# Altium PCB PCB1-recovery2.PcbDoc (part 3 of 5) (continued)
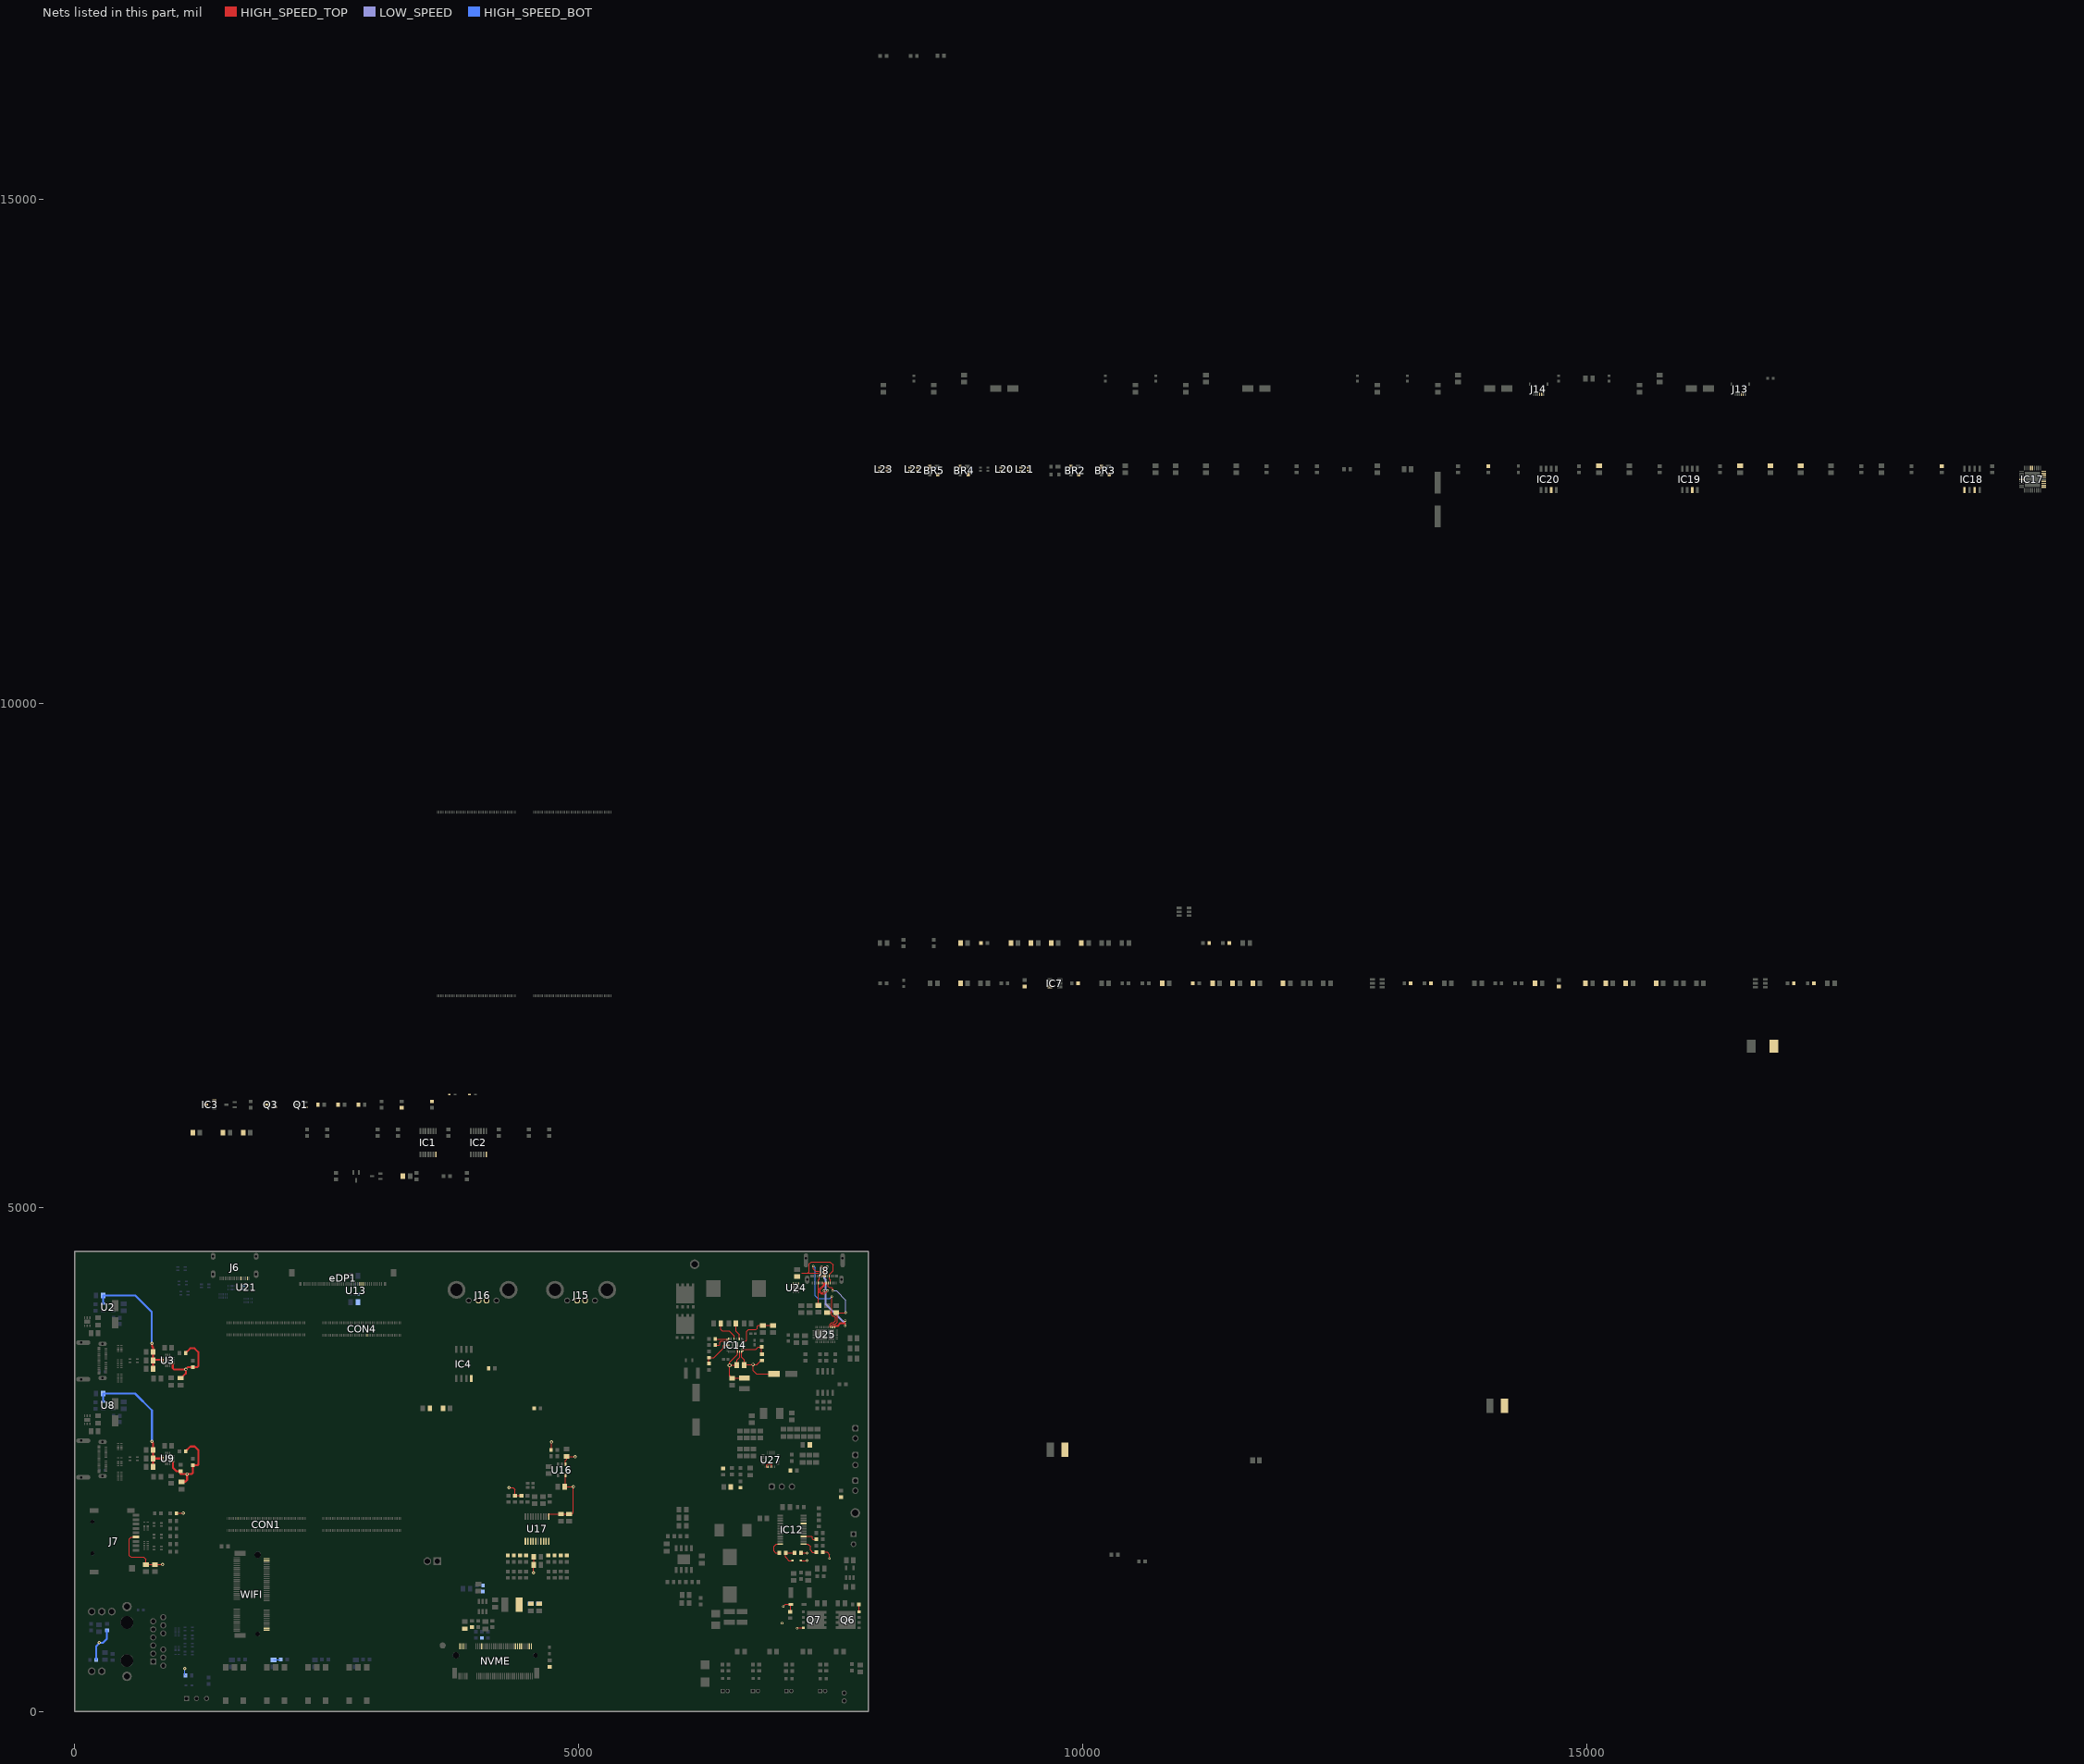
[diagram p9: the nets of this part, all layers, seen from the top]
## Part data (continued)
R25 R70 R71 R72 R73 R111 R135 R136: library part ERJ-3EKF1000V, "100 Ohm 1% 1/10W 0603 ±100ppm/°C Molded SMD Punched Carrier T/R", Case Code (Imperial)=0603, Case Code (Metric)=1608, Manufacturer=Panasonic, Max Operating Temperature=155°C, Max Power Dissipation=100mW, Min Operating Temperature=-55°C, Mouser Part Number=667-ERJ-3EKF1000V, Package Quantity=5000, Resistance Tolerance=1%, Resistor Type="Thick Film", Supplier Part Number=P100HCT-ND, Temperature Coefficient=100ppm/°C, Voltage Rating=75V, Arrow Part Number=ERJ-3EKF1000V, Arrow Price/Stock=https://www.arrow.com/en/products/erj-3ekf1000v/panasonic?utm_currency=USD&region=nac, Case/Package=0603, Category="Chip SMD Resistors", ComponentLink1Description=https://datasheet.ciiva.com/34303/1987450-34303565.pdf?src-supplier=Jameco, ComponentLink1URL=https://datasheet.ciiva.com/34303/1987450-34303565.pdf?src-supplier=Jameco, ComponentLink2Description=https://datasheet.ciiva.com/9186/aoa0000ce2-9186725.pdf?src-supplier=Avnet, ComponentLink2URL=https://datasheet.ciiva.com/9186/aoa0000ce2-9186725.pdf?src-supplier=Avnet, ComponentLink3Description=https://datasheet.ciiva.com/48530/aoa0000ce2-48530986.pdf?src-supplier=Avnet, ComponentLink3URL=https://datasheet.ciiva.com/48530/aoa0000ce2-48530986.pdf?src-supplier=Avnet, ComponentLink4Description=https://datasheet.ciiva.com/7830/aoa0000ce2-7830728.pdf?src-supplier=Element14, ComponentLink4URL=https://datasheet.ciiva.com/7830/aoa0000ce2-7830728.pdf?src-supplier=Element14, ComponentLink5Description=https://datasheet.ciiva.com/22667/1678782-22667887.pdf?src-supplier=Element14, ComponentLink5URL=https://datasheet.ciiva.com/22667/1678782-22667887.pdf?src-supplier=Element14, ComponentLink6Description=https://datasheet.ciiva.com/46372/1678782-46372726.pdf?src-supplier=Element14, ComponentLink6URL=https://datasheet.ciiva.com/46372/1678782-46372726.pdf?src-supplier=Element14, ComponentLink7Description=https://datasheet.ciiva.com/46372/1678782-46372727.pdf?src-supplier=Element14, ComponentLink7URL=https://datasheet.ciiva.com/46372/1678782-46372727.pdf?src-supplier=Element14, ComponentLink8Description=https://datasheet.ciiva.com/24159/aoa0000ce2-24159753.pdf?src-supplier=Mouser, ComponentLink8URL=https://datasheet.ciiva.com/24159/aoa0000ce2-24159753.pdf?src-supplier=Mouser, ComponentLink9Description=https://datasheet.ciiva.com/16765/70260748-16765766.pdf?src-supplier=Allied+Electronics, ComponentLink9URL=https://datasheet.ciiva.com/16765/70260748-16765766.pdf?src-supplier=Allied+Electronics, ComponentLink10Description=https://datasheet.ciiva.com/16762/70260748-16762666.pdf?src-supplier=Allied+Electronics, ComponentLink10URL=https://datasheet.ciiva.com/16762/70260748-16762666.pdf?src-supplier=Allied+Electronics, ComponentLink11Description=https://datasheet.ciiva.com/30088/aoa0000ce2-30088649.pdf?src-supplier=Onlinecomponents.com, ComponentLink11URL=https://datasheet.ciiva.com/30088/aoa0000ce2-30088649.pdf?src-supplier=Onlinecomponents.com, Construction=Rectangular, Contact Plating=Tin, Datasheet Link=http://industrial.panasonic.com/cdbs/www-data/pdf/RDA0000/AOA0000C86.pdf, Depth=0.8mm, Features="Automotive AEC-Q200", Height=0.55mm, Lead Free="Lead Free", Length=1.6mm, Manufacturer Part Number=ERJ-3EKF1000V, Manufacturer_Name=Panasonic, Manufacturer_Part_Number=ERJ-3EKF1000V, Military Standard=Not, Mounting Technology="Surface Mount", Mouser Price/Stock=https://www.mouser.co.uk/ProductDetail/Panasonic/ERJ-3EKF1000V?qs=H7k1u0Mp9JS7i8KGO5m47A%3D%3D, Number of Terminations=2, Packaging="Tape and Reel", Power Rating=100mW, Pricing="1=0.1, 10=0.035, 100=0.0177, 1000=0.01014, 2500=0.00888 (USD)", Radiation Hardening=No, Reach SVHC Compliant=No, RoHS=Yes, RoHS Compliant=Yes, Series=ERJ, Stock=1036225, Supplier=Digikey, Termination=SMD/SMT, Tolerance=1%, Voltage Rating (DC)=75V, Weight=7.1E-05oz, Width=0.8mm
R28 R29 R32 R33 R34 R35 R44 R45 R46 R47 R48 R49 R50 R78 R118 R119 R126 R131 R133 R137 R139: library part ERJ-3EKF33R0V, "33 Ohm 1% 0.1W 0603 ±100ppm/°C Molded SMD Punched Carrier T/R", Case Code (Imperial)=0603, Case Code (Metric)=1608, Manufacturer=Panasonic, Max Operating Temperature=155°C, Max Power Dissipation=100mW, Min Operating Temperature=-55°C, Package Quantity=1, Resistance Tolerance=1%, Resistor Type="Thick Film", Supplier Part Number=P33.0HCT-ND, Temperature Coefficient=100ppm/°C, Voltage Rating=75V, Case/Package=0603, Category="Chip SMD Resistors", ComponentLink1Description=https://datasheet.ciiva.com/5917/aoa0000ce2-5917831.pdf?src-supplier=Farnell, ComponentLink1URL=https://datasheet.ciiva.com/5917/aoa0000ce2-5917831.pdf?src-supplier=Farnell, ComponentLink2Description=https://datasheet.ciiva.com/48531/aoa0000ce2-48531007.pdf?src-supplier=Avnet, ComponentLink2URL=https://datasheet.ciiva.com/48531/aoa0000ce2-48531007.pdf?src-supplier=Avnet, ComponentLink3Description=https://datasheet.ciiva.com/30250/aoa0000ce2-30250862.pdf?src-supplier=Onlinecomponents.com, ComponentLink3URL=https://datasheet.ciiva.com/30250/aoa0000ce2-30250862.pdf?src-supplier=Onlinecomponents.com, ComponentLink4Description=https://datasheet.ciiva.com/16778/70260748-16778478.pdf?src-supplier=Allied+Electronics, ComponentLink4URL=https://datasheet.ciiva.com/16778/70260748-16778478.pdf?src-supplier=Allied+Electronics, ComponentLink5Description=https://datasheet.ciiva.com/16781/70260748-16781237.pdf?src-supplier=Allied+Electronics, ComponentLink5URL=https://datasheet.ciiva.com/16781/70260748-16781237.pdf?src-supplier=Allied+Electronics, ComponentLink6Description=https://datasheet.ciiva.com/22673/1678782-22673288.pdf?src-supplier=Element14, ComponentLink6URL=https://datasheet.ciiva.com/22673/1678782-22673288.pdf?src-supplier=Element14, ComponentLink7Description=https://datasheet.ciiva.com/24026/aoa0000ce2-24026635.pdf?src-supplier=Mouser, ComponentLink7URL=https://datasheet.ciiva.com/24026/aoa0000ce2-24026635.pdf?src-supplier=Mouser, ComponentLink8Description=https://datasheet.ciiva.com/22687/1678782-22687390.pdf?src-supplier=Element14, ComponentLink8URL=https://datasheet.ciiva.com/22687/1678782-22687390.pdf?src-supplier=Element14, ComponentLink9Description=https://datasheet.ciiva.com/7836/aoa0000ce2-7836503.pdf?src-supplier=Element14, ComponentLink9URL=https://datasheet.ciiva.com/7836/aoa0000ce2-7836503.pdf?src-supplier=Element14, ComponentLink10Description=https://datasheet.ciiva.com/7836/426256-7836821.pdf?src-supplier=Element14, ComponentLink10URL=https://datasheet.ciiva.com/7836/426256-7836821.pdf?src-supplier=Element14, Construction=Rectangular, Contact Plating=Tin, Depth=0.8mm, Features="Automotive AEC-Q200", Height=0.022inch, Lead Free="Lead Free", Length=1.6mm, Manufacturer Part Number=ERJ-3EKF33R0V, Mfr_Name=Panasonic, Military Standard=Not, Mounting Technology="Surface Mount", Number of Terminations=2, Packaging="Tape and Reel", Pins=2, Power Rating=100mW, Pricing="1=0.1, 10=0.035, 100=0.0177, 1000=0.01014, 2500=0.00888 (USD)", Radiation Hardening=No, Reach SVHC Compliant=No, RoHS=Yes, RoHS Compliant=Yes, Series=ERJ, Stock=430721, Supplier=Digikey, Termination=SMD/SMT, Tolerance=1%, Voltage Rating (DC)=75V, Width=0.8mm
R30 R31 R37 R38 R39 R40 R121 R159: library part ERJ-3EKF49R9V, "100Mw Thick Film Resistors 100Ppm/ 1% 49.9 0603 Chip Resistor Surface Mount Rohs", Case Code (Imperial)=0603, Case Code (Metric)=1608, Manufacturer=Panasonic, Max Operating Temperature=155°C, Max Power Dissipation=100mW, Min Operating Temperature=-55°C, Package Quantity=5000, Resistance Tolerance=1%, Resistor Type="Thick Film", Supplier Part Number=P49.9HCT-ND, Temperature Coefficient=100ppm/°C, Voltage Rating=75V, Working Voltage=6V, Case/Package=0603, Category="Chip SMD Resistors", ComponentLink1Description=https://datasheet.ciiva.com/48531/aoa0000ce2-48531019.pdf?src-supplier=Avnet, ComponentLink1URL=https://datasheet.ciiva.com/48531/aoa0000ce2-48531019.pdf?src-supplier=Avnet, ComponentLink2Description=https://datasheet.ciiva.com/30095/aoa0000ce2-30095355.pdf?src-supplier=Onlinecomponents.com, ComponentLink2URL=https://datasheet.ciiva.com/30095/aoa0000ce2-30095355.pdf?src-supplier=Onlinecomponents.com, ComponentLink3Description=https://datasheet.ciiva.com/9117/aoa0000ce2-9117128.pdf?src-supplier=Avnet, ComponentLink3URL=https://datasheet.ciiva.com/9117/aoa0000ce2-9117128.pdf?src-supplier=Avnet, ComponentLink4Description=https://datasheet.ciiva.com/16766/70260748-16766262.pdf?src-supplier=Allied+Electronics, ComponentLink4URL=https://datasheet.ciiva.com/16766/70260748-16766262.pdf?src-supplier=Allied+Electronics, ComponentLink5Description=https://datasheet.ciiva.com/16772/70260748-16772570.pdf?src-supplier=Allied+Electronics, ComponentLink5URL=https://datasheet.ciiva.com/16772/70260748-16772570.pdf?src-supplier=Allied+Electronics, ComponentLink6Description=https://datasheet.ciiva.com/28694/1678782-28694219.pdf?src-supplier=Element14, ComponentLink6URL=https://datasheet.ciiva.com/28694/1678782-28694219.pdf?src-supplier=Element14, ComponentLink7Description=https://datasheet.ciiva.com/46388/1678782-46388908.pdf?src-supplier=Element14, ComponentLink7URL=https://datasheet.ciiva.com/46388/1678782-46388908.pdf?src-supplier=Element14, Construction=Rectangular, Contact Plating=Tin, Depth=0.8mm, Features="Automotive AEC-Q200", Height=0.022inch, Length=1.6mm, Manufacturer Part Number=ERJ-3EKF49R9V, Mfr_Name=Panasonic, Military Standard=Not, Mounting Technology="Surface Mount", Number of Terminations=2, Packaging="Tape and Reel", Power Rating=100mW, Pricing="1=0.1, 10=0.035, 100=0.0177, 1000=0.01014, 2500=0.00888 (USD)", Radiation Hardening=No, Reach SVHC Compliant=No, RoHS=Yes, RoHS Compliant=Yes, Series=ERJ, Stock=459806, Supplier=Digikey, Technology="THICK FILM", Termination=SMD/SMT, Tolerance=1%, Width=0.8mm
R36: library part ERJ-3GEYJ471V, "470 Ohm 5% 1/10W 0603 +/-200ppm/ßC Molded SMD Punched Carrier T/R", Case Code (Imperial)=0603, Case Code (Metric)=1608, Manufacturer=Panasonic, Max Operating Temperature=155°C, Max Power Dissipation=100mW, Min Operating Temperature=-55°C, Package Quantity=1, Resistance Tolerance=5%, Resistor Type="Thick Film", Supplier Part Number=P470GCT-ND, Temperature Coefficient=200ppm/°C, Voltage Rating=75V, Case/Package=0603, Category="Chip SMD Resistors", ComponentLink1Description=https://datasheet.ciiva.com/11821/0900766b80f806dd-11821465.pdf?src-supplier=Rs, ComponentLink1URL=https://datasheet.ciiva.com/11821/0900766b80f806dd-11821465.pdf?src-supplier=Rs, ComponentLink2Description=https://datasheet.ciiva.com/6138/1678796-6138175.pdf?src-supplier=Farnell, ComponentLink2URL=https://datasheet.ciiva.com/6138/1678796-6138175.pdf?src-supplier=Farnell, ComponentLink3Description=https://datasheet.ciiva.com/9117/aoa0000ce1-9117207.pdf?src-supplier=Avnet, ComponentLink3URL=https://datasheet.ciiva.com/9117/aoa0000ce1-9117207.pdf?src-supplier=Avnet, ComponentLink4Description=https://datasheet.ciiva.com/28676/1678796-28676277.pdf?src-supplier=Element14, ComponentLink4URL=https://datasheet.ciiva.com/28676/1678796-28676277.pdf?src-supplier=Element14, ComponentLink5Description=https://datasheet.ciiva.com/46377/1678796-46377559.pdf?src-supplier=Element14, ComponentLink5URL=https://datasheet.ciiva.com/46377/1678796-46377559.pdf?src-supplier=Element14, ComponentLink6Description=https://datasheet.ciiva.com/46389/1678796-46389462.pdf?src-supplier=Element14, ComponentLink6URL=https://datasheet.ciiva.com/46389/1678796-46389462.pdf?src-supplier=Element14, ComponentLink7Description=https://datasheet.ciiva.com/16449/aoa0000ce1-16449526.pdf?src-supplier=Future+Electronics, ComponentLink7URL=https://datasheet.ciiva.com/16449/aoa0000ce1-16449526.pdf?src-supplier=Future+Electronics, ComponentLink8Description=https://datasheet.ciiva.com/16767/70255313-16767606.pdf?src-supplier=Allied+Electronics, ComponentLink8URL=https://datasheet.ciiva.com/16767/70255313-16767606.pdf?src-supplier=Allied+Electronics, ComponentLink9Description=https://datasheet.ciiva.com/16777/70255313-16777174.pdf?src-supplier=Allied+Electronics, ComponentLink9URL=https://datasheet.ciiva.com/16777/70255313-16777174.pdf?src-supplier=Allied+Electronics, ComponentLink10Description=https://datasheet.ciiva.com/30073/4aoa0000ce1-30073208.pdf?src-supplier=Onlinecomponents.com, ComponentLink10URL=https://datasheet.ciiva.com/30073/4aoa0000ce1-30073208.pdf?src-supplier=Onlinecomponents.com, Construction=Rectangular, Contact Plating=Tin, Depth=0.8mm, Features="Automotive AEC-Q200", Height=0.45mm, Lead Free="Lead Free", Length=1.6mm, Manufacturer Part Number=ERJ-3GEYJ471V, Mfr_Name=Panasonic, Military Standard=Not, Mounting Technology="Surface Mount", Number of Terminations=2, Packaging="Tape and Reel", Pins=2NUMBER, Power Rating=100mW, Radiation Hardening=No, Reach SVHC Compliant=No, RoHS=Yes, RoHS Compliant=Yes, Series=ERJ, Supplier=Digikey, Technology="THICK FILM", Termination=SMD/SMT, Tolerance=5%, Voltage Rating (DC)=75V, Weight=7.1E-05oz, Width=0.8mm
R54 R56 R59: library part ERJ-3GEYJ182V, "1.8 kOhm, ± 5%, 100 mW, 0603 [1608 Metric], Thick Film, General Purpose", Case Code (Imperial)=0603, Case Code (Metric)=1608, Manufacturer=Panasonic, Max Operating Temperature=155°C, Max Power Dissipation=100mW, Min Operating Temperature=-55°C, Package Quantity=5000, Resistance Tolerance=5%, Resistor Type="Thick Film", Supplier Part Number=P1.8KGCT-ND, Temperature Coefficient=200ppm/°C, Voltage Rating=75V, Voltage Rating (DC)=50V, Case/Package=0603, Category="Chip SMD Resistors", ComponentLink1Description=https://datasheet.ciiva.com/11821/0900766b80f806dd-11821432.pdf?src-supplier=Rs, ComponentLink1URL=https://datasheet.ciiva.com/11821/0900766b80f806dd-11821432.pdf?src-supplier=Rs, ComponentLink2Description=https://datasheet.ciiva.com/30254/4aoa0000ce1-30254454.pdf?src-supplier=Onlinecomponents.com, ComponentLink2URL=https://datasheet.ciiva.com/30254/4aoa0000ce1-30254454.pdf?src-supplier=Onlinecomponents.com, ComponentLink3Description=https://datasheet.ciiva.com/9117/aoa0000ce1-9117098.pdf?src-supplier=Avnet, ComponentLink3URL=https://datasheet.ciiva.com/9117/aoa0000ce1-9117098.pdf?src-supplier=Avnet, ComponentLink4Description=https://datasheet.ciiva.com/16766/70255313-16766154.pdf?src-supplier=Allied+Electronics, ComponentLink4URL=https://datasheet.ciiva.com/16766/70255313-16766154.pdf?src-supplier=Allied+Electronics, ComponentLink5Description=https://datasheet.ciiva.com/16772/70255313-16772088.pdf?src-supplier=Allied+Electronics, ComponentLink5URL=https://datasheet.ciiva.com/16772/70255313-16772088.pdf?src-supplier=Allied+Electronics, ComponentLink6Description=https://datasheet.ciiva.com/46440/1500035-46440095.pdf?src-supplier=Element14, ComponentLink6URL=https://datasheet.ciiva.com/46440/1500035-46440095.pdf?src-supplier=Element14, Construction=Rectangular, Contact Plating=Tin, Depth=0.8mm, Features="Automotive AEC-Q200", Height=0.45mm, Lead Free="Lead Free", Length=1.6mm, Manufacturer Part Number=ERJ-3GEYJ182V, Mfr_Name=Panasonic, Military Standard=Not, Mounting Technology="Surface Mount", Number of Terminations=2, Packaging="Tape and Reel", Power Rating=100mW, Pricing="1=0.1, 10=0.033, 50=0.02, 100=0.0165, 500=0.01096, 1000=0.00939 (USD)", Radiation Hardening=No, Reach SVHC Compliant=No, RoHS=Yes, RoHS Compliant=Yes, Series=ERJ, Stock=204507, Supplier=Digikey, Technology="THICK FILM", Termination=SMD/SMT, Tolerance=5%, Width=0.8mm
R58 R123 R130 R132 R134 R143 R161 R165: library part ERJ-3EKF1001V, "1K Ohm 1% 1/10W Res Thick Film 0603 ±100ppm/°C Molded SMD Punched Carrier T/R", Case Code (Imperial)=0603, Case Code (Metric)=1608, Manufacturer=Panasonic, Max Operating Temperature=155°C, Max Power Dissipation=100mW, Min Operating Temperature=-55°C, Mouser Part Number=667-ERJ-3EKF1001V, Package Quantity=5000, Resistance Tolerance=1%, Resistor Type="Thick Film", Supplier Part Number=P1.00KHCT-ND, Temperature Coefficient=100ppm/°C, Voltage Rating=75V, Arrow Part Number=ERJ-3EKF1001V, Arrow Price/Stock=https://www.arrow.com/en/products/erj-3ekf1001v/panasonic?utm_currency=USD&region=europe, Case/Package=0603, Category="Chip SMD Resistors", ComponentLink1Description=https://datasheet.ciiva.com/48530/aoa0000ce2-48530987.pdf?src-supplier=Avnet, ComponentLink1URL=https://datasheet.ciiva.com/48530/aoa0000ce2-48530987.pdf?src-supplier=Avnet, ComponentLink2Description=https://datasheet.ciiva.com/30063/aoa0000ce2-30063390.pdf?src-supplier=Onlinecomponents.com, ComponentLink2URL=https://datasheet.ciiva.com/30063/aoa0000ce2-30063390.pdf?src-supplier=Onlinecomponents.com, ComponentLink3Description=https://datasheet.ciiva.com/16449/aoa0000ce2-16449065.pdf?src-supplier=Future+Electronics, ComponentLink3URL=https://datasheet.ciiva.com/16449/aoa0000ce2-16449065.pdf?src-supplier=Future+Electronics, ComponentLink4Description=https://datasheet.ciiva.com/22673/1678782-22673918.pdf?src-supplier=Element14, ComponentLink4URL=https://datasheet.ciiva.com/22673/1678782-22673918.pdf?src-supplier=Element14, ComponentLink5Description=https://datasheet.ciiva.com/16768/70260748-16768437.pdf?src-supplier=Allied+Electronics, ComponentLink5URL=https://datasheet.ciiva.com/16768/70260748-16768437.pdf?src-supplier=Allied+Electronics, ComponentLink6Description=https://datasheet.ciiva.com/16774/70260748-16774550.pdf?src-supplier=Allied+Electronics, ComponentLink6URL=https://datasheet.ciiva.com/16774/70260748-16774550.pdf?src-supplier=Allied+Electronics, ComponentLink7Description=https://datasheet.ciiva.com/46373/1678782-46373339.pdf?src-supplier=Element14, ComponentLink7URL=https://datasheet.ciiva.com/46373/1678782-46373339.pdf?src-supplier=Element14, ComponentLink8Description=https://datasheet.ciiva.com/46373/1678782-46373340.pdf?src-supplier=Element14, ComponentLink8URL=https://datasheet.ciiva.com/46373/1678782-46373340.pdf?src-supplier=Element14, ComponentLink9Description=https://datasheet.ciiva.com/7942/aoa0000ce2-7942427.pdf?src-supplier=Element14, ComponentLink9URL=https://datasheet.ciiva.com/7942/aoa0000ce2-7942427.pdf?src-supplier=Element14, ComponentLink10Description=https://datasheet.ciiva.com/9198/aoa0000ce2-9198923.pdf?src-supplier=Avnet, ComponentLink10URL=https://datasheet.ciiva.com/9198/aoa0000ce2-9198923.pdf?src-supplier=Avnet, ComponentLink11Description=https://datasheet.ciiva.com/24070/aoa0000ce2-24070269.pdf?src-supplier=Mouser, ComponentLink11URL=https://datasheet.ciiva.com/24070/aoa0000ce2-24070269.pdf?src-supplier=Mouser, Construction=Rectangular, Contact Plating=Tin, Datasheet Link=http://industrial.panasonic.com/cdbs/www-data/pdf/RDA0000/AOA0000C86.pdf, Depth=0.8mm, Features="Automotive AEC-Q200", Height=0.55mm, Length=1.6mm, Manufacturer Part Number=ERJ-3EKF1001V, Manufacturer_Name=Panasonic, Manufacturer_Part_Number=ERJ-3EKF1001V, Military Standard=Not, Mounting Technology="Surface Mount", Mouser Price/Stock=https://www.mouser.co.uk/ProductDetail/Panasonic/ERJ-3EKF1001V?qs=H7k1u0Mp9JTM8yQxOuvoDg%3D%3D, Number of Terminations=2, Packaging="Tape and Reel", Pins=2, Power Rating=100mW, Pricing="1=0.1, 10=0.035, 100=0.0177, 1000=0.01014, 2500=0.00847 (USD)", Radiation Hardening=No, Reach SVHC Compliant=No, RoHS=Yes, RoHS Compliant=Yes, Series=ERJ, Stock=1610348, Supplier=Digikey, Technology="THICK FILM", Termination=SMD/SMT, Tolerance=1%, Voltage Rating (DC)=75V, Width=0.8mm
R60 R61 R92: library part ERJ-3EKF2702V, "27K Ohm 1% 1/10W 0603 ±100ppm/°C Molded SMD Punched Carrier T/R", Case Code (Imperial)=0603, Case Code (Metric)=1608, Manufacturer=Panasonic, Max Operating Temperature=155°C, Max Power Dissipation=100mW, Min Operating Temperature=-55°C, Package Quantity=1, Resistance Tolerance=1%, Resistor Type="Thick Film", Supplier Part Number=P27.0KHCT-ND, Temperature Coefficient=100ppm/°C, Voltage Rating=75V, Case/Package=0603, Category="Chip SMD Resistors", ComponentLink1Description=https://datasheet.ciiva.com/6082/aoa0000ce2-6082174.pdf?src-supplier=Farnell, ComponentLink1URL=https://datasheet.ciiva.com/6082/aoa0000ce2-6082174.pdf?src-supplier=Farnell, ComponentLink2Description=https://datasheet.ciiva.com/9116/aoa0000ce2-9116938.pdf?src-supplier=Avnet, ComponentLink2URL=https://datasheet.ciiva.com/9116/aoa0000ce2-9116938.pdf?src-supplier=Avnet, ComponentLink3Description=https://datasheet.ciiva.com/9191/aoa0000ce2-9191209.pdf?src-supplier=Avnet, ComponentLink3URL=https://datasheet.ciiva.com/9191/aoa0000ce2-9191209.pdf?src-supplier=Avnet, ComponentLink4Description=https://datasheet.ciiva.com/24124/aoa0000ce2-24124345.pdf?src-supplier=Mouser, ComponentLink4URL=https://datasheet.ciiva.com/24124/aoa0000ce2-24124345.pdf?src-supplier=Mouser, ComponentLink5Description=https://datasheet.ciiva.com/46420/1678782-46420331.pdf?src-supplier=Element14, ComponentLink5URL=https://datasheet.ciiva.com/46420/1678782-46420331.pdf?src-supplier=Element14, ComponentLink6Description=https://datasheet.ciiva.com/7886/aoa0000ce2-7886728.pdf?src-supplier=Element14, ComponentLink6URL=https://datasheet.ciiva.com/7886/aoa0000ce2-7886728.pdf?src-supplier=Element14, ComponentLink7Description=https://datasheet.ciiva.com/16765/70260748-16765016.pdf?src-supplier=Allied+Electronics, ComponentLink7URL=https://datasheet.ciiva.com/16765/70260748-16765016.pdf?src-supplier=Allied+Electronics, ComponentLink8Description=https://datasheet.ciiva.com/16785/70260748-16785821.pdf?src-supplier=Allied+Electronics, ComponentLink8URL=https://datasheet.ciiva.com/16785/70260748-16785821.pdf?src-supplier=Allied+Electronics, Construction=Rectangular, Contact Plating=Tin, Depth=0.8mm, Features="Automotive AEC-Q200", Height=0.022inch, Lead Free="Lead Free", Length=1.6mm, Manufacturer Part Number=ERJ-3EKF2702V, Mfr_Name=Panasonic, Military Standard=Not, Mounting Technology="Surface Mount", Number of Terminations=2, Packaging="Tape and Reel", Pins=2, Power Rating=100mW, Pricing="1=0.1, 10=0.035, 100=0.0177, 1000=0.01014, 2500=0.00847 (USD)", Radiation Hardening=No, Reach SVHC Compliant=No, RoHS=Yes, RoHS Compliant=Yes, Series=ERJ, Stock=194466, Supplier=Digikey, Termination=SMD/SMT, Tolerance=1%, Voltage Rating (DC)=75V, Weight=7.1E-05oz, Width=0.8mm
R62 R63 R64 R65 R66 R67 R68 R69: library part ERJ-3EKF4990V, "499 Ohm, ï¿½ 1%, 100 mW, 0603 [1608 Metric], Thick Film, Precision", Case Code (Imperial)=0603, Case Code (Metric)=1608, Manufacturer=Panasonic, Max Operating Temperature=155°C, Max Power Dissipation=100mW, Min Operating Temperature=-55°C, Package Quantity=1, Resistance Tolerance=1%, Resistor Type="Thick Film", Supplier Part Number=P499HCT-ND, Temperature Coefficient=100ppm/°C, Voltage Rating=75V, Voltage Rating (DC)=50V, Case/Package=0603, Category="Chip SMD Resistors", ComponentLink1Description=https://datasheet.ciiva.com/48531/aoa0000ce2-48531014.pdf?src-supplier=Avnet, ComponentLink1URL=https://datasheet.ciiva.com/48531/aoa0000ce2-48531014.pdf?src-supplier=Avnet, ComponentLink2Description=https://datasheet.ciiva.com/30248/aoa0000ce2-30248877.pdf?src-supplier=Onlinecomponents.com, ComponentLink2URL=https://datasheet.ciiva.com/30248/aoa0000ce2-30248877.pdf?src-supplier=Onlinecomponents.com, ComponentLink3Description=https://datasheet.ciiva.com/43460/426256-43460456.pdf?src-supplier=Farnell, ComponentLink3URL=https://datasheet.ciiva.com/43460/426256-43460456.pdf?src-supplier=Farnell, ComponentLink4Description=https://datasheet.ciiva.com/9117/aoa0000ce2-9117110.pdf?src-supplier=Avnet, ComponentLink4URL=https://datasheet.ciiva.com/9117/aoa0000ce2-9117110.pdf?src-supplier=Avnet, Construction=Rectangular, Contact Plating=Tin, Depth=0.8mm, Features="Automotive AEC-Q200", Height=0.45mm, Lead Free="Lead Free", Length=1.6mm, Manufacturer Part Number=ERJ-3EKF4990V, Mfr_Name=Panasonic, Military Standard=Not, Mounting Technology="Surface Mount", Number of Terminations=2, Packaging="Tape and Reel", Power Rating=100mW, Pricing="1=0.1, 10=0.035, 100=0.0177, 1000=0.01014, 2500=0.00847 (USD)", Radiation Hardening=No, Reach SVHC Compliant=No, RoHS=Yes, RoHS Compliant=Yes, Series=ERJ, Stock=179220, Supplier=Digikey, Technology="THICK FILM", Termination=SMD/SMT, Tolerance=1%, Width=0.8mm
R82: library part ERJ-3EKF5602V, "56K Ohm 1% 1/10W +/-100ppm/ßC Molded SMD Punched Carrier T/R", Case Code (Imperial)=0603, Case Code (Metric)=1608, Manufacturer=Panasonic, Max Operating Temperature=155°C, Max Power Dissipation=100mW, Min Operating Temperature=-55°C, Mouser Part Number=667-ERJ-3EKF5602V, Package Quantity=1, Resistance Tolerance=1%, Resistor Type="Thick Film", Supplier Part Number=P56.0KHCT-ND, Temperature Coefficient=100ppm/°C, Voltage Rating=75V, Arrow Part Number=ERJ-3EKF5602V, Arrow Price/Stock=https://www.arrow.com/en/products/erj-3ekf5602v/panasonic, Case/Package=0603, Category="Chip SMD Resistors", ComponentLink1Description=https://datasheet.ciiva.com/9188/aoa0000ce2-9188742.pdf?src-supplier=Avnet, ComponentLink1URL=https://datasheet.ciiva.com/9188/aoa0000ce2-9188742.pdf?src-supplier=Avnet, ComponentLink2Description=https://datasheet.ciiva.com/48531/aoa0000ce2-48531022.pdf?src-supplier=Avnet, ComponentLink2URL=https://datasheet.ciiva.com/48531/aoa0000ce2-48531022.pdf?src-supplier=Avnet, ComponentLink3Description=https://datasheet.ciiva.com/7886/aoa0000ce2-7886732.pdf?src-supplier=Element14, ComponentLink3URL=https://datasheet.ciiva.com/7886/aoa0000ce2-7886732.pdf?src-supplier=Element14, ComponentLink4Description=https://datasheet.ciiva.com/22684/1678782-22684791.pdf?src-supplier=Element14, ComponentLink4URL=https://datasheet.ciiva.com/22684/1678782-22684791.pdf?src-supplier=Element14, ComponentLink5Description=https://datasheet.ciiva.com/28590/1678782-28590957.pdf?src-supplier=Element14, ComponentLink5URL=https://datasheet.ciiva.com/28590/1678782-28590957.pdf?src-supplier=Element14, ComponentLink6Description=https://datasheet.ciiva.com/46373/1678782-46373897.pdf?src-supplier=Element14, ComponentLink6URL=https://datasheet.ciiva.com/46373/1678782-46373897.pdf?src-supplier=Element14, ComponentLink7Description=https://datasheet.ciiva.com/46373/1678782-46373898.pdf?src-supplier=Element14, ComponentLink7URL=https://datasheet.ciiva.com/46373/1678782-46373898.pdf?src-supplier=Element14, ComponentLink8Description=https://datasheet.ciiva.com/24069/aoa0000ce2-24069910.pdf?src-supplier=Mouser, ComponentLink8URL=https://datasheet.ciiva.com/24069/aoa0000ce2-24069910.pdf?src-supplier=Mouser, ComponentLink9Description=https://datasheet.ciiva.com/16757/70260748-16757718.pdf?src-supplier=Allied+Electronics, ComponentLink9URL=https://datasheet.ciiva.com/16757/70260748-16757718.pdf?src-supplier=Allied+Electronics, ComponentLink10Description=https://datasheet.ciiva.com/16765/70260748-16765709.pdf?src-supplier=Allied+Electronics, ComponentLink10URL=https://datasheet.ciiva.com/16765/70260748-16765709.pdf?src-supplier=Allied+Electronics, ComponentLink11Description=https://datasheet.ciiva.com/30089/aoa0000ce2-30089321.pdf?src-supplier=Onlinecomponents.com, ComponentLink11URL=https://datasheet.ciiva.com/30089/aoa0000ce2-30089321.pdf?src-supplier=Onlinecomponents.com, Construction=Rectangular, Contact Plating=Tin, Datasheet Link=http://industrial.panasonic.com/cdbs/www-data/pdf/RDA0000/AOA0000C86.pdf, Depth=0.8mm, Features="Automotive AEC-Q200", Height=0.55mm, Lead Free="Lead Free", Length=1.6mm, Manufacturer Part Number=ERJ-3EKF5602V, Manufacturer_Name=Panasonic, Manufacturer_Part_Number=ERJ-3EKF5602V, Military Standard=Not, Mounting Technology="Surface Mount", Mouser Price/Stock=https://www.mouser.com/Search/Refine.aspx?Keyword=667-ERJ-3EKF5602V, Number of Terminations=2, Packaging="Tape and Reel", Pins=2, Power Rating=100mW, Radiation Hardening=No, Reach SVHC Compliant=No, RoHS=Yes, RoHS Compliant=Yes, Series=ERJ, Supplier=Digikey, Termination=SMD/SMT, Tolerance=1%, Voltage Rating (DC)=75V, Width=0.8mm
R87 R96 R101: library part ERJ-3GEYJ333V, "33K Ohm 0603  5% 0.1W(1/10W) +/-200ppm/ßC SMD Automotive T/R", Case Code (Imperial)=0603, Case Code (Metric)=1608, Manufacturer=Panasonic, Max Operating Temperature=155°C, Max Power Dissipation=100mW, Min Operating Temperature=-55°C, Mouser Part Number=667-ERJ-3GEYJ333V, Package Quantity=1, Resistance Tolerance=5%, Resistor Type="Thick Film", Supplier Part Number=65T8631, Temperature Coefficient=200ppm/°C, Voltage Rating=75V, Case/Package=0603, Category="Chip SMD Resistors", ComponentLink1Description=https://datasheet.ciiva.com/11821/0900766b80f806dd-11821443.pdf?src-supplier=Rs, ComponentLink1URL=https://datasheet.ciiva.com/11821/0900766b80f806dd-11821443.pdf?src-supplier=Rs, ComponentLink2Description=https://datasheet.ciiva.com/6082/1500035-6082201.pdf?src-supplier=Farnell, ComponentLink2URL=https://datasheet.ciiva.com/6082/1500035-6082201.pdf?src-supplier=Farnell, ComponentLink3Description=https://datasheet.ciiva.com/43460/1500035-43460750.pdf?src-supplier=Farnell, ComponentLink3URL=https://datasheet.ciiva.com/43460/1500035-43460750.pdf?src-supplier=Farnell, ComponentLink4Description=https://datasheet.ciiva.com/9117/aoa0000ce1-9117178.pdf?src-supplier=Avnet, ComponentLink4URL=https://datasheet.ciiva.com/9117/aoa0000ce1-9117178.pdf?src-supplier=Avnet, ComponentLink5Description=https://datasheet.ciiva.com/16788/70255313-16788733.pdf?src-supplier=Allied+Electronics, ComponentLink5URL=https://datasheet.ciiva.com/16788/70255313-16788733.pdf?src-supplier=Allied+Electronics, ComponentLink6Description=https://datasheet.ciiva.com/30068/4aoa0000ce1-30068957.pdf?src-supplier=Onlinecomponents.com, ComponentLink6URL=https://datasheet.ciiva.com/30068/4aoa0000ce1-30068957.pdf?src-supplier=Onlinecomponents.com, ComponentLink7Description=https://datasheet.ciiva.com/16765/70255313-16765226.pdf?src-supplier=Allied+Electronics, ComponentLink7URL=https://datasheet.ciiva.com/16765/70255313-16765226.pdf?src-supplier=Allied+Electronics, ComponentLink8Description=https://datasheet.ciiva.com/28682/1678796-28682159.pdf?src-supplier=Element14, ComponentLink8URL=https://datasheet.ciiva.com/28682/1678796-28682159.pdf?src-supplier=Element14, ComponentLink9Description=https://datasheet.ciiva.com/46377/1500035-46377061.pdf?src-supplier=Element14, ComponentLink9URL=https://datasheet.ciiva.com/46377/1500035-46377061.pdf?src-supplier=Element14, ComponentLink10Description=https://datasheet.ciiva.com/46388/1500035-46388634.pdf?src-supplier=Element14, ComponentLink10URL=https://datasheet.ciiva.com/46388/1500035-46388634.pdf?src-supplier=Element14, Construction=Rectangular, Contact Plating=Tin, Datasheet Link=http://docs-europe.electrocomponents.com/webdocs/13ba/0900766b813ba21b.pdf, Depth=0.8mm, Features="Automotive AEC-Q200", Height=0.55mm, Lead Free="Lead Free", Length=1.6mm, Manufacturer Part Number=ERJ-3GEYJ333V, Manufacturer_Name=Panasonic, Manufacturer_Part_Number=ERJ-3GEYJ333V, Military Standard=Not, Mounting Technology="Surface Mount", Mouser Price/Stock=https://www.mouser.co.uk/ProductDetail/Panasonic/ERJ-3GEYJ333V?qs=JjxTDIFmKPQB8Hd2hIsG7w%3D%3D, Number of Terminations=2, Packaging="Tape and Reel", Power Rating=100mW, Radiation Hardening=No, Reach SVHC Compliant=No, RoHS=Yes, RoHS Compliant=Yes, Series=ERJ, Supplier=Avnet, Technology="THICK FILM", Termination=SMD/SMT, Tolerance=5%, Width=0.8mm
R91: library part ERJ-3GEYJ154V, "150 kOhm, ± 5%, 100 mW, 0603 [1608 Metric], Thick Film, General Purpose", Case Code (Imperial)=0603, Case Code (Metric)=1608, Manufacturer=Panasonic, Max Operating Temperature=155°C, Max Power Dissipation=100mW, Min Operating Temperature=-55°C, Mouser Part Number=667-ERJ-3GEYJ154V, Package Quantity=1, Resistance Tolerance=5%, Resistor Type="Thick Film", Supplier Part Number=65T8579, Temperature Coefficient=200ppm/°C, Voltage Rating=75V, Voltage Rating (DC)=50V, Arrow Part Number=ERJ-3GEYJ154V, Arrow Price/Stock=https://www.arrow.com/en/products/erj-3geyj154v/panasonic, Case/Package=0603, Category="Chip SMD Resistors", ComponentLink1Description=https://datasheet.ciiva.com/11821/0900766b80f806dd-11821407.pdf?src-supplier=Rs, ComponentLink1URL=https://datasheet.ciiva.com/11821/0900766b80f806dd-11821407.pdf?src-supplier=Rs, ComponentLink2Description=https://datasheet.ciiva.com/6137/1500035-6137498.pdf?src-supplier=Farnell, ComponentLink2URL=https://datasheet.ciiva.com/6137/1500035-6137498.pdf?src-supplier=Farnell, ComponentLink3Description=https://datasheet.ciiva.com/30195/4aoa0000ce1-30195896.pdf?src-supplier=Onlinecomponents.com, ComponentLink3URL=https://datasheet.ciiva.com/30195/4aoa0000ce1-30195896.pdf?src-supplier=Onlinecomponents.com, ComponentLink4Description=https://datasheet.ciiva.com/43460/1500035-43460765.pdf?src-supplier=Farnell, ComponentLink4URL=https://datasheet.ciiva.com/43460/1500035-43460765.pdf?src-supplier=Farnell, ComponentLink5Description=https://datasheet.ciiva.com/9185/aoa0000ce1-9185511.pdf?src-supplier=Avnet, ComponentLink5URL=https://datasheet.ciiva.com/9185/aoa0000ce1-9185511.pdf?src-supplier=Avnet, ComponentLink6Description=https://datasheet.ciiva.com/9185/aoa0000ce1-9185515.pdf?src-supplier=Avnet, ComponentLink6URL=https://datasheet.ciiva.com/9185/aoa0000ce1-9185515.pdf?src-supplier=Avnet, ComponentLink7Description=https://datasheet.ciiva.com/16768/70255313-16768859.pdf?src-supplier=Allied+Electronics, ComponentLink7URL=https://datasheet.ciiva.com/16768/70255313-16768859.pdf?src-supplier=Allied+Electronics, ComponentLink8Description=https://datasheet.ciiva.com/46443/1500035-46443765.pdf?src-supplier=Element14, ComponentLink8URL=https://datasheet.ciiva.com/46443/1500035-46443765.pdf?src-supplier=Element14, ComponentLink9Description=https://datasheet.ciiva.com/28691/1678796-28691944.pdf?src-supplier=Element14, ComponentLink9URL=https://datasheet.ciiva.com/28691/1678796-28691944.pdf?src-supplier=Element14, Construction=Rectangular, Contact Plating=Tin, Datasheet Link=http://docs-europe.electrocomponents.com/webdocs/13ba/0900766b813ba21b.pdf, Depth=0.8mm, Features="Automotive AEC-Q200", Height=0.55mm, Length=1.6mm, Manufacturer Part Number=ERJ-3GEYJ154V, Manufacturer_Name=Panasonic, Manufacturer_Part_Number=ERJ-3GEYJ154V, Military Standard=Not, Mounting Technology="Surface Mount", Mouser Price/Stock=https://www.mouser.co.uk/ProductDetail/Panasonic/ERJ-3GEYJ154V?qs=JjxTDIFmKPQSZANcYWp2Qw%3D%3D, Number of Terminations=2, Packaging="Tape and Reel", Power Rating=100mW, Radiation Hardening=No, Reach SVHC Compliant=No, RoHS=Yes, RoHS Compliant=Yes, Series=ERJ, Supplier=Avnet, Technology="THICK FILM", Termination=SMD/SMT, Tolerance=5%, Width=0.8mm
R112: library part ERJ-3EKF1742V, "17.4K Ohm 1% 1/10W +/-100ppm/ßC Molded Res Thick Film 0603  SMD Punched Carrier T/R", Case Code (Imperial)=0603, Case Code (Metric)=1608, Manufacturer=Panasonic, Max Operating Temperature=155°C, Max Power Dissipation=100mW, Min Operating Temperature=-55°C, Mouser Part Number=667-ERJ-3EKF1742V, Package Quantity=5000, Resistance Tolerance=1%, Resistor Type="Thick Film", Supplier Part Number=P17.4KHCT-ND, Temperature Coefficient=100ppm/°C, Voltage Rating=75V, Voltage Rating (DC)=50V, Arrow Part Number=ERJ-3EKF1742V, Arrow Price/Stock=https://www.arrow.com/en/products/erj-3ekf1742v/panasonic, Case/Package=0603, Category="Chip SMD Resistors", ComponentLink1Description=https://datasheet.ciiva.com/9192/aoa0000ce2-9192537.pdf?src-supplier=Avnet, ComponentLink1URL=https://datasheet.ciiva.com/9192/aoa0000ce2-9192537.pdf?src-supplier=Avnet, ComponentLink2Description=https://datasheet.ciiva.com/28531/1678782-28531550.pdf?src-supplier=Element14, ComponentLink2URL=https://datasheet.ciiva.com/28531/1678782-28531550.pdf?src-supplier=Element14, ComponentLink3Description=https://datasheet.ciiva.com/28672/1678782-28672319.pdf?src-supplier=Element14, ComponentLink3URL=https://datasheet.ciiva.com/28672/1678782-28672319.pdf?src-supplier=Element14, ComponentLink4Description=https://datasheet.ciiva.com/46377/426256-46377406.pdf?src-supplier=Element14, ComponentLink4URL=https://datasheet.ciiva.com/46377/426256-46377406.pdf?src-supplier=Element14, ComponentLink5Description=https://datasheet.ciiva.com/24026/aoa0000ce2-24026662.pdf?src-supplier=Mouser, ComponentLink5URL=https://datasheet.ciiva.com/24026/aoa0000ce2-24026662.pdf?src-supplier=Mouser, ComponentLink6Description=https://datasheet.ciiva.com/30059/aoa0000ce2-30059821.pdf?src-supplier=Onlinecomponents.com, ComponentLink6URL=https://datasheet.ciiva.com/30059/aoa0000ce2-30059821.pdf?src-supplier=Onlinecomponents.com, Construction=Rectangular, Contact Plating=Tin, Datasheet Link=http://industrial.panasonic.com/cdbs/www-data/pdf/RDA0000/AOA0000C86.pdf, Depth=0.8mm, Features="Automotive AEC-Q200", Height=0.55mm, Lead Free="Lead Free", Length=1.6mm, Manufacturer Part Number=ERJ-3EKF1742V, Manufacturer_Name=Panasonic, Manufacturer_Part_Number=ERJ-3EKF1742V, Military Standard=Not, Mounting Technology="Surface Mount", Mouser Price/Stock=https://www.mouser.co.uk/ProductDetail/Panasonic/ERJ-3EKF1742V?qs=H7k1u0Mp9JSZxDVRdeZLvA%3D%3D, Number of Terminations=2, Packaging="Tape and Reel", Power Rating=100mW, Pricing="1=0.1, 10=0.035, 100=0.0177, 1000=0.01014, 2500=0.00847 (USD)", Reach SVHC Compliant=No, RoHS=Yes, RoHS Compliant=Yes, Series=ERJ, Stock=99931, Supplier=Digikey, Termination=SMD/SMT, Tolerance=1%, Width=0.8mm
R113: library part ERJ-3EKF1373V, "137K Ohm 1% 1/10W Res Thick Film 0603 ±100ppm/°C SMD Punched Carrier T/R", Case Code (Imperial)=0603, Case Code (Metric)=1608, Manufacturer=Panasonic, Max Operating Temperature=155°C, Max Power Dissipation=100mW, Min Operating Temperature=-55°C, Mouser Part Number=667-ERJ-3EKF1373V, Package Quantity=1, Ratings=AEC-Q200, Resistance Tolerance=1%, Resistor Type="Thick Film", Supplier Part Number=P137KHCT-ND, Temperature Coefficient=100ppm/°C, Voltage Rating=75V, Voltage Rating (DC)=50V, Arrow Part Number=ERJ-3EKF1373V, Arrow Price/Stock=https://www.arrow.com/en/products/erj-3ekf1373v/panasonic, Case/Package=0603, Category="Chip SMD Resistors", ComponentLink1Description=https://datasheet.ciiva.com/3883/3984280s8821682n1386-3883650.pdf?src-supplier=Arrow+Electronics, ComponentLink1URL=https://datasheet.ciiva.com/3883/3984280s8821682n1386-3883650.pdf?src-supplier=Arrow+Electronics, ComponentLink2Description=https://datasheet.ciiva.com/9185/aoa0000ce2-9185790.pdf?src-supplier=Avnet, ComponentLink2URL=https://datasheet.ciiva.com/9185/aoa0000ce2-9185790.pdf?src-supplier=Avnet, ComponentLink3Description=https://datasheet.ciiva.com/16788/70260748-16788101.pdf?src-supplier=Allied+Electronics, ComponentLink3URL=https://datasheet.ciiva.com/16788/70260748-16788101.pdf?src-supplier=Allied+Electronics, ComponentLink4Description=https://datasheet.ciiva.com/16762/70260748-16762069.pdf?src-supplier=Allied+Electronics, ComponentLink4URL=https://datasheet.ciiva.com/16762/70260748-16762069.pdf?src-supplier=Allied+Electronics, ComponentLink5Description=https://datasheet.ciiva.com/28594/1678782-28594598.pdf?src-supplier=Element14, ComponentLink5URL=https://datasheet.ciiva.com/28594/1678782-28594598.pdf?src-supplier=Element14, ComponentLink6Description=https://datasheet.ciiva.com/28692/1678782-28692248.pdf?src-supplier=Element14, ComponentLink6URL=https://datasheet.ciiva.com/28692/1678782-28692248.pdf?src-supplier=Element14, ComponentLink7Description=https://datasheet.ciiva.com/46389/426256-46389183.pdf?src-supplier=Element14, ComponentLink7URL=https://datasheet.ciiva.com/46389/426256-46389183.pdf?src-supplier=Element14, Contact Plating=Tin, Datasheet Link=http://industrial.panasonic.com/cdbs/www-data/pdf/RDA0000/AOA0000C86.pdf, Features="Automotive AEC-Q200", Height=0.55mm, Lead Free=5697LeadFree, Length=0.063inch, Manufacturer Part Number=ERJ-3EKF1373V, Manufacturer_Name=Panasonic, Manufacturer_Part_Number=ERJ-3EKF1373V, Mounting Technology="Surface Mount", Mouser Price/Stock=https://www.mouser.com/Search/Refine.aspx?Keyword=667-ERJ-3EKF1373V, Number of Terminations=2, Packaging="Tape and Reel", Power Rating=100mW, Pricing="1=0.1, 10=0.035, 100=0.0177, 1000=0.01014, 2500=0.00888 (USD)", Reach SVHC Compliant=No, RoHS=Yes, RoHS Compliant=Yes, Series=ERJ, Stock=786997, Supplier=Digikey, Termination=SMD/SMT, Tolerance=1%, Width=0.8mm